# Altium PCB S7CAS-PLEIADES-CARTE-MERE_Pxx.PcbDoc (part 7 of 8)
Units mil, origin at the board's own origin, x right, y up, seen from the top; angles counter-clockwise.
Board outline 8000 x 4000 mil, 14 copper layers (L1, L2 (GND), L3, L4 (GND), L5, L6 (GND), L7 (PWR), L8 (GND), L9 (PWR), L10 (GND), L11 (GND), L12, L13 (GND), L14), stack 81.971 mil thick; 686 components, 434 nets, 2811 pads, 1136 vias.
Unrouted connection lines stored in the file: 1167.
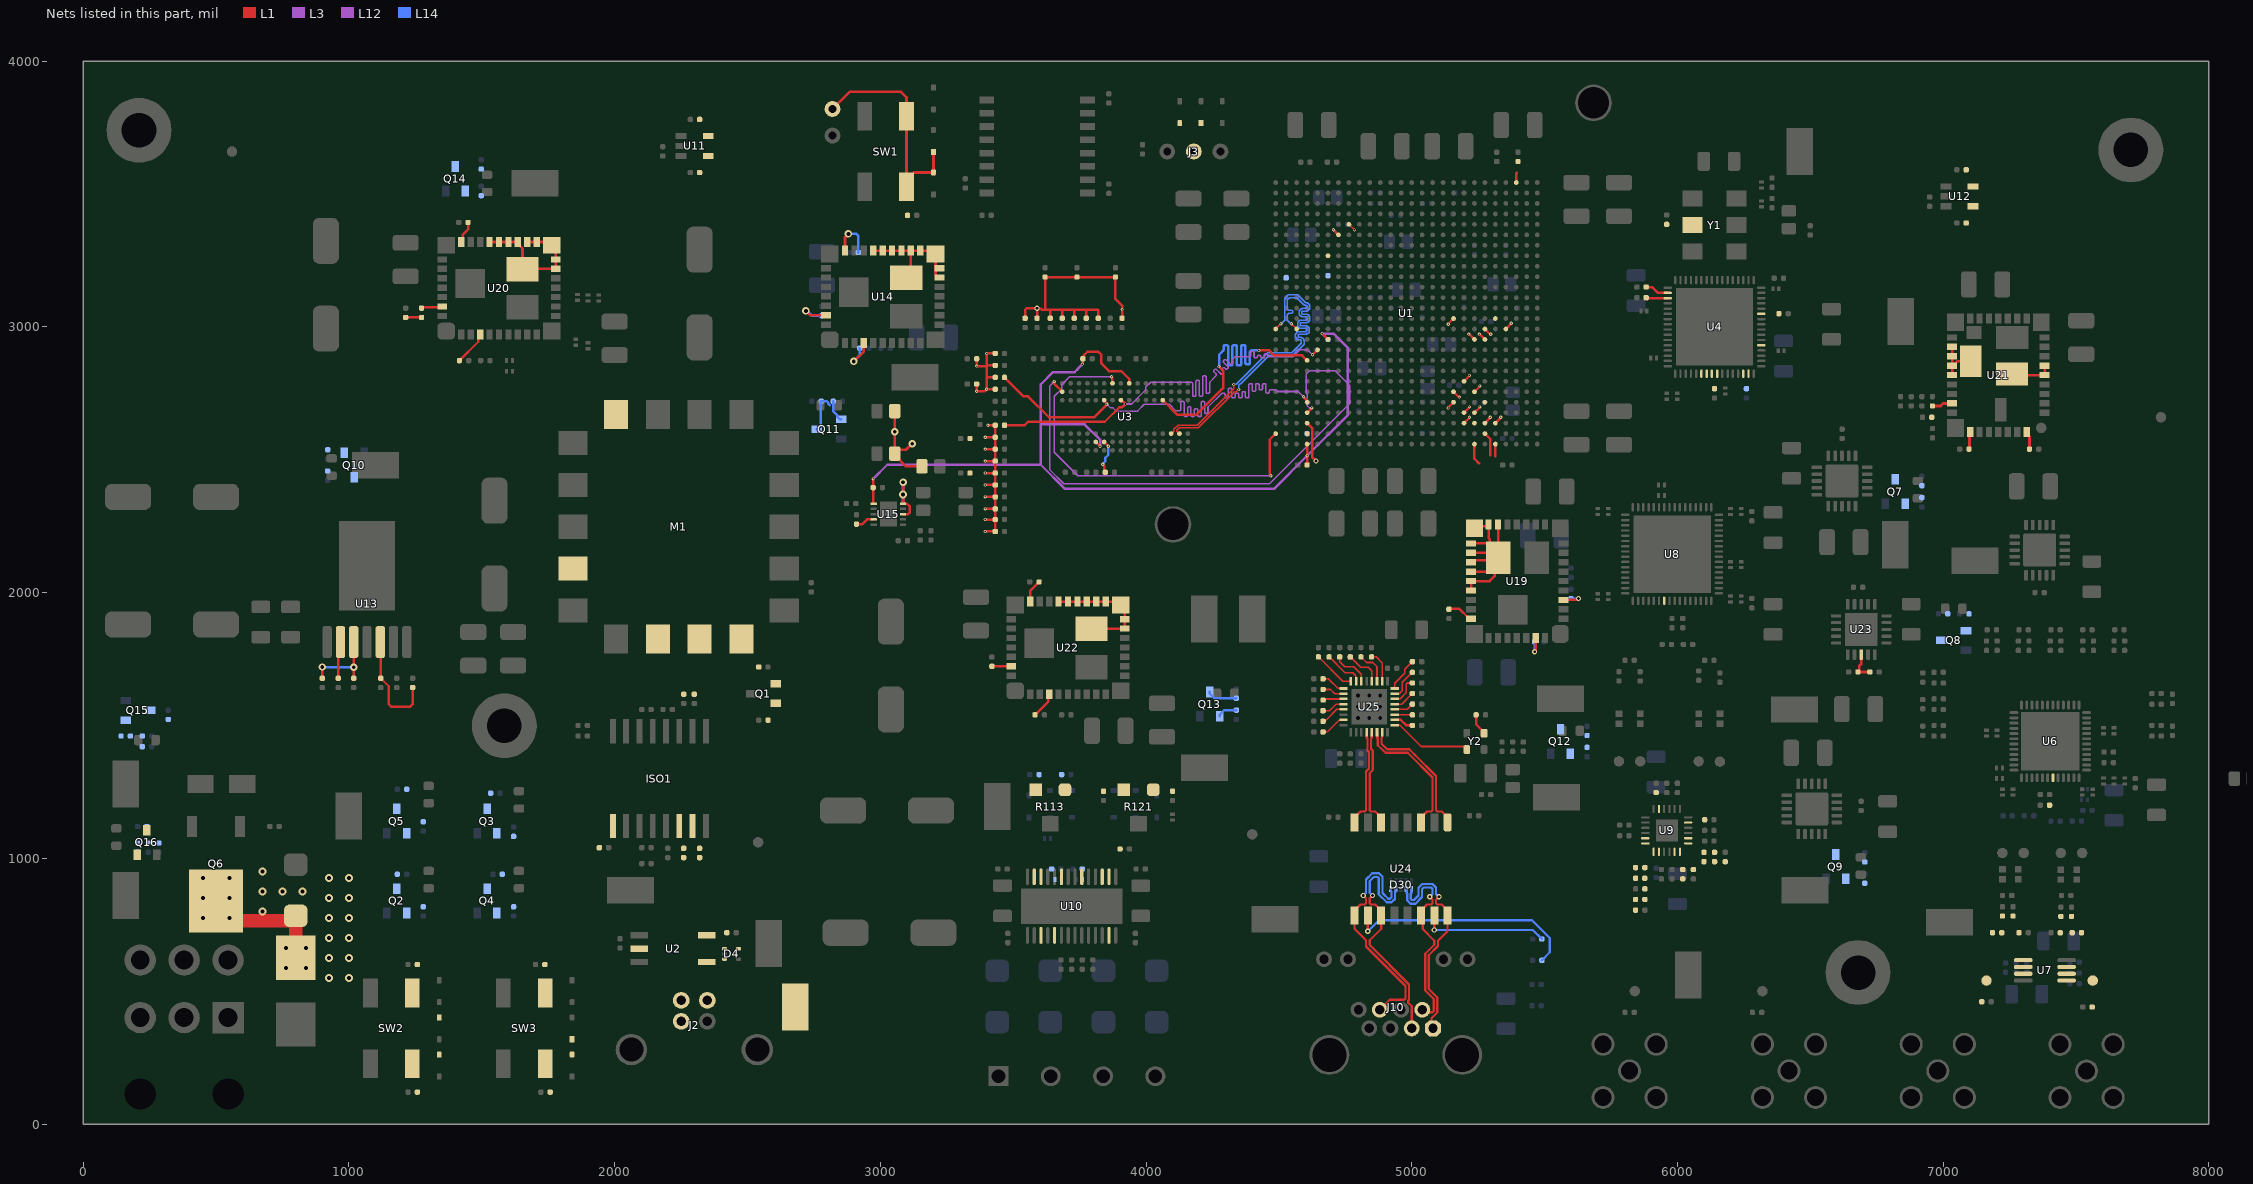
[diagram p18: the nets of this part, all layers, seen from the top]

## Via types
v1: diameter 12, hole 6, L1 to L14, tented both sides, 492 vias
v2: diameter 30, hole 15, L1 to L14, tented both sides, 226 vias
v3: diameter 20, hole 10, L1 to L14, tented both sides, 208 vias
v4: diameter 19.68, hole 7.87, L1 to L14, tented both sides, 106 vias
v5: diameter 19.68, hole 11.81, L1 to L14, tented both sides, 48 vias
v6: diameter 22, hole 12, L1 to L14, tented both sides, 27 vias
v7: diameter 19.68, hole 11.81, L1 to L14, 15 vias
v8: diameter 28, hole 14, L1 to L14, tented both sides, 10 vias
v9: diameter 19.68, hole 7.87, L1 to L14, 4 vias

## Nets (pads, with @x,y where several pads share a name; then routed paths per layer and width w, separated by ;. In a path a pad name is that pad's centre, name@x,y a point inside that pad or via, vN(x,y) a via of type N, cw(c..) or ccw(c..) an arc to the next point about the centre after c; other vN are vias at no path point) (continued)
NetM1_13: M1.13 U1.C23 | length 156.8
  L1 w9.39: U1.C23@4606.29,2637.79 4625,2619.08 4625,2510 v3(4640,2495)
NetM1_18: M1.18 Q1.2 R24.2
NetQ2_1: Q2.1 R131.1
NetQ2_3: Q2.3 R129.1
NetQ3_1: Q3.1 R132.1
NetQ3_3: Q3.3 R130.1
NetQ4_1: Q4.1 R135.1
NetQ4_3: Q4.3 R133.1
NetQ5_1: Q5.1 R136.1
NetQ5_3: Q5.3 R134.1
NetQ7_1: Q7.1 R238.1
NetQ7_3: Q7.3 R230.1
NetQ8_1: Q8.1 R239.1
NetQ8_3: Q8.3 R231.1
NetQ9_1: Q9.1 R240.1
NetQ9_3: Q9.3 R232.1
NetQ10_1: Q10.1 R241.1
NetQ10_3: Q10.3 R233.1
NetQ11_1: Q11.1 R242.1 | length 84.4
  L14 w9.39: R242.1@2822.5,2720 2822.5,2683 2838.19,2667.31 2838.19,2661.31 2847.5,2652 Q11.1@2853.5,2652
NetQ11_3: Q11.3 R234.1 | length 156.4
  L14 w9.39: Q11.3@2761.5,2615 2765.69,2615 2775,2624.31 2776.81,2624.31 2776.81,2719.31 R234.1@2777.5,2720 2799.31,2720 2804.81,2714.5 2804.81,2710.33 2810.11,2705.02
NetQ12_1: Q12.1 R243.1
NetQ12_3: Q12.3 R235.1
NetQ13_1: Q13.1 R244.1 | length 76.2
  L14 w9.39: Q13.1@4277,1534 4277,1540 4294.5,1557.5 R244.1@4340,1557.5
NetQ13_3: Q13.3 R236.1 | length 115.1
  L14 w9.39: Q13.3@4240,1626 4240,1620 4257.5,1602.5 4335.63,1602.5 4337.81,1600.31 R236.1@4340,1602.5
NetQ14_1: Q14.1 R245.1
NetQ14_3: Q14.3 R237.1
NetQ15_1: Q15.1 R250.1
NetQ15_3: Q15.3 R246.1
NetQ16_1: Q16.1 R251.1
NetQ16_3: Q16.3 R248.1
NetR21_2: R21.2 U2.3
NetR25_1: R25.1 U1.AB19 | length 29.4
  L1 w6.36: U1.AB19@4763.77,3385.82 v1(4784.59,3365)
NetR26_1: R26.1 U1.W21
NetR51_1: R51.1 Y1.2
NetR52_1: R52.1 U4.3 | length 81.7
  L1 w9.39: R52.1@5882.5,3110 5884.07,3108.43 5963.34,3108.43 U4.3@5963.5,3108.27
NetR53_1: R53.1 U4.2 | length 90.1
  L1 w9.39: R53.1@5882.5,3150 5905,3150 5927.05,3127.95 U4.2@5963.5,3127.95
NetR54_1: R54.1 U4.43
NetR56_2: R56.2 U4.30
NetR57_1: R57.1 R59.2 TP3.1 U7.1
NetR71_1: R71.1 R78.2 TP6.1 U7.7
NetR91_2: R91.2 U6.43
NetR94_1: R94.1 U9.23
NetR94_2: R94.2 R95.1 U9.24
NetR98_1: R98.1 R100.2 U9.1
NetR98_2: R98.2 R101.1
NetR100_1: R100.1 U9.2
NetR102_1: R102.1 U9.5
NetR102_2: R102.2 R103.1 U9.6
NetR106_1: R106.1 R108.2 U9.7
NetR106_2: R106.2 R109.1
NetR108_1: R108.1 U9.8
NetR112_2: R112.2 R113.1
NetR113_3: R113.3 R114.1
NetR118_2: R118.2 R121.1
NetR121_3: R121.3 R122.1
NetR137_1: R137.1 R139.2 U13.3 | length 297.5
  L1 w9.44: R137.1@900,1677.5 v8(900,1720) ; R139.2@1018.03,1677.5 v8(1018.03,1718.63) U13.3@1018.03,1813.9
  L14 w9.44: v8(900,1720) 900.69,1719.31 1017.35,1719.31 v8(1018.03,1718.63)
NetR138_2: R138.2 R141.2 U13.5 | length 407.9
  L1 w9.44: U13.5@1118.03,1813.9 1119.02,1812.92 1119.02,1678.48 R141.2@1120,1677.5 1150,1647.5 1150,1580 1160,1570 1230,1570 1240,1580 R138.2@1240,1642.5
NetR140_2: R140.2 U13.2 | length 139.7
  L1 w9.44: R140.2@960,1677.5 960,1805.87 U13.2@968.03,1813.9
NetR143_2: R143.2 U15.9 | length 72.3
  L1 w9.44: R143.2@2910.48,2257.7 2932.7,2257.7 2950.51,2275.51 U15.9@2975.36,2275.51
NetR144_2: R144.2 U14.28 | length 171.3
  L1 w10: U14.28@2867.09,3287.13 2867.09,3337.09 v8(2880,3350)
  L14 w10: v8(2880,3350) 2910,3350 2917.5,3342.5 R144.2@2917.5,3280
NetR145_2: R145.2 U14.4 | length 143.7
  L1 w10: v8(2900,2870) 2937.95,2907.95 U14.4@2937.95,2938.7
  L14 w10: v8(2900,2870) 2922.5,2892.5 R145.2@2922.5,2920
NetR147_2: R147.2 U14.35 | length 149.1
  L1 w9.39: v8(2720,3060) 2735.98,3044.02 U14.35@2795.24,3044.02
  L14 w9.39: v8(2720,3060) 2724.71,3060 2742.21,3042.5 R147.2@2780,3042.5
NetR149_2: R149.2 U19.28 | length 100.5
  L1 w9.39: R149.2@5140,1937.5 5142.5,1940 5178.15,1940 5216.61,1901.54 U19.28@5223.5,1901.54
NetR150_2: R150.2 U19.4 | length 85.2
  L1 w9.39: U19.4@5571.93,1972.4 5619.53,1972.4 5624.63,1977.5 v3(5627.5,1977.5)
  L14 w9.39: R150.2@5600,1977.5 v3(5627.5,1977.5)
NetR151_2: R151.2 U20.4 | length 130.6
  L1 w9.44: R151.2@1415.98,2873.17 1486.94,2944.13 1486.94,2964.3 U20.4@1494.03,2971.39
NetR152_2: R152.2 U20.28 | length 83.8
  L1 w9.44: U20.28@1423.16,3319.82 1428.24,3324.9 1428.24,3346.4 1448.48,3366.63 R152.2@1448.48,3393.17
NetR153_1: R153.1 R155.2 | length 60
  L1 w9.44: R155.2@1213.48,3035.67 R153.1@1273.48,3035.67
NetR153_2: R153.2 U20.35 | length 80.3
  L1 w9.44: R153.2@1273.48,3070.67 1276.5,3073.69 1348.29,3073.69 U20.35@1351.31,3076.71
NetR154_2: R154.2 U19.35 | length 91.4
  L1 w9.39: v3(5462.5,1777.5) 5462.5,1780.37 5466.61,1784.49 U19.35@5466.61,1829.69
  L14 w9.39: v3(5462.5,1777.5) R154.2@5462.5,1815
NetR156_1: R156.1 R160.2 U21.27 | length 77.9
  L1 w10: R156.1@6960,2702.5 6991,2702.5 7000.12,2711.62 7033.08,2711.62 U21.27@7033.82,2712.36
NetR157_2: R157.2 U21.36 | length 69.5
  L1 w10: U21.36@7314.33,2605.08 7314.33,2598.19 7325,2587.52 R157.2@7325,2540
NetR158_1: R158.1 R161.2 U23.3 | length 115.7
  L1 w10: U23.3@6691.94,1766.79 6691.94,1732.1 6683.83,1723.99 6683.83,1705.66 R158.1@6679.44,1701.28 R161.2@6724.44,1701.28
NetR159_2: R159.2 U21.30 | length 66.8
  L1 w10: R159.2@7097.5,2540 7099.62,2542.12 7099.62,2602.96 U21.30@7101.73,2605.08
NetR162_2: R162.2 U22.28 | length 87.6
  L1 w9.39: U22.28@3564.69,1965.94 3564.69,2007.19 R162.2@3597.5,2040
NetR163_2: R163.2 U22.4 | length 99.5
  L1 w9.39: R163.2@3582.5,1540 3632.74,1590.24 3632.74,1614.71 U22.4@3635.55,1617.52
NetR164_2: R164.2 U22.35 | length 73
  L1 w9.39: R164.2@3420,1722.5 3420.17,1722.67 3492.67,1722.67 U22.35@3492.83,1722.83
NetR203_2: R203.2 U24.15 | length 475.9
  L1 w8.62: v3(5085,730) U24.15@5085,785
  L14 w8.62: v3@5086.25,731.25 v3(5085,730) 5456,730 R203.2@5490,696
NetR204_2: R204.2 U24.10 | length 886.5
  L1 w8.62: v3(4835,725) U24.10@4835,785
  L14 w8.62: v3(4835,725) 4876.95,766.95 5453.05,766.95 5520,700 5520,646 R204.2@5490,616
NetR206_1: R206.1 R208.2 U25.11 | length 66.4
  L1 w6.36: U25.11@4936.46,1540.79 4936.85,1540.39 5002.11,1540.39 R208.2@5002.5,1540
NetR209_2: R209.2 U25.12 | length 74.1
  L1 w6.36: U25.12@4936.46,1560.47 4982.97,1560.47 R209.2@5002.5,1580
NetR210_2: R210.2 U25.28 | length 87.2
  L1 w6.36: R210.2@4666.55,1555.51 4690.51,1555.51 4715.16,1580.16 U25.28@4743.54,1580.16
NetR211_2: R211.2 U25.29 | length 95.6
  L1 w6.36: R211.2@4666.55,1515.51 4671.68,1520.58 4678.58,1520.58 4718.47,1560.47 U25.29@4743.54,1560.47
NetR212_2: R212.2 U25.18 | length 117.8
  L1 w6.36: R212.2@4849.05,1758.01 4865.99,1758.01 4889.21,1734.79 U25.18@4889.21,1666.77
NetR213_2: R213.2 U25.20 | length 141.7
  L1 w6.36: R213.2@4769.05,1758.01 4807.61,1719.45 4836.55,1719.45 4849.84,1706.16 U25.20@4849.84,1666.77
NetR214_2: R214.2 U25.16 | length 128.1
  L1 w6.36: U25.16@4936.46,1639.21 4936.46,1659.46 4974,1697 4974,1711.5 R214.2@5002.5,1740
NetR215_2: R215.2 U25.15 | length 117.7
  L1 w6.36: U25.15@4936.46,1619.53 4936.68,1619.76 4953.47,1619.76 4965,1631.28 4965,1662.5 R215.2@5002.5,1700
NetR216_2: R216.2 U25.14 | length 109.9
  L1 w6.36: U25.14@4936.46,1599.84 4937.48,1600.87 4956.87,1600.87 4980,1624 4980,1656.27 4983.73,1660 R216.2@5002.5,1660
NetR217_2: R217.2 U25.13 | length 82.5
  L1 w6.36: U25.13@4936.46,1580.16 4962.66,1580.16 R217.2@5002.5,1620
NetR220_2: R220.2 U25.19 | length 130.3
  L1 w6.36: R220.2@4809.05,1758.01 4829.93,1737.12 4853.88,1737.12 4869.53,1721.47 U25.19@4869.53,1666.77
NetR221_2: R221.2 U25.23 | length 150.2
  L1 w6.36: R221.2@4689.05,1758.01 4749.05,1698 4777.85,1698 4789.21,1686.64 4789.21,1668.35 U25.23@4790.79,1666.77
NetR222_2: R222.2 U25.31 | length 95.9
  L1 w6.36: R222.2@4666.55,1475.51 4666.88,1475.84 4682.84,1475.84 4726.36,1519.36 4741.8,1519.36 U25.31@4743.54,1521.1
NetR223_2: R223.2 U25.24 | length 159.8
  L1 w6.36: R223.2@4649.05,1758.01 4740.28,1666.77 U25.24@4771.1,1666.77
NetR224_2: R224.2 U25.25 | length 92
  L1 w6.36: R224.2@4666.55,1675.51 4686.49,1675.51 4722.56,1639.44 4743.32,1639.44 U25.25@4743.54,1639.21
NetR225_2: R225.2 U25.26 | length 83.6
  L1 w6.36: R225.2@4666.55,1635.51 4694.49,1635.51 4710.47,1619.53 U25.26@4743.54,1619.53
NetR226_2: R226.2 U25.27 | length 78.8
  L1 w6.36: R226.2@4666.55,1595.51 4670.88,1599.84 U25.27@4743.54,1599.84
NetR227_2: R227.2 U25.22 | length 144.9
  L1 w6.36: R227.2@4729.05,1758.01 4729.05,1739.95 4748,1721 4782,1721 4810.24,1692.76 4810.24,1667 U25.22@4810.47,1666.77
NetR228_2: R228.2 U25.10 | length 74.8
  L1 w9.39: U25.10@4936.46,1521.1 4958.9,1521.1 4980,1500 R228.2@5002.5,1500
NetR229_1: R229.1 Y2.1 | length 81.9
  L1 w9.39: R229.1@5242.5,1540 5242.5,1504.43 5272.48,1474.45 Y2.1@5272.48,1470.51
NetR247_1: R247.1 R250.2 R252.2
NetR249_1: R249.1 R251.2 R253.2
NetU14_17: U14.17 U14.18 U14.19 U14.20 U14.21 U14.22 U14.23 U14.24 U14.25 U14.39 | length 447.8
  L1 w10: U14.25@2973.39,3287.13 U14.24@3008.82,3287.13 U14.23@3044.25,3287.13 U14.22@3079.69,3287.13 U14.21@3115.12,3287.13 ; U14.39@3097.4,3184.96 3115.12,3202.68 U14.21@3115.12,3287.13 ; U14.17@3222.4,3185.75 3215.51,3185.75 3208.7,3192.56 3208.7,3199.45 3207.64,3200.52 U14.19@3207.64,3274.33 3194.84,3287.13 U14.20@3150.55,3287.13 U14.21@3115.12,3287.13
NetU19_17: U19.17 U19.18 U19.19 U19.20 U19.21 U19.22 U19.23 U19.24 U19.25 U19.39 | length 959.9
  L1 w9.39: U19.25@5223.5,2007.83 U19.24@5223.5,2043.27 5233.74,2043.27 5293.27,2043.27 5312.24,2062.24 5312.24,2103.66 U19.39@5325.67,2117.09 ; U19.23@5223.5,2078.7 U19.39@5284.1,2078.7 ; U19.22@5223.5,2114.13 5230.62,2121.25 5315.07,2121.25 U19.39@5325.67,2131.85 ; U19.21@5223.5,2149.57 5307.95,2149.57 U19.39@5325.67,2131.85 ; U19.20@5223.5,2185 5284.1,2185 U19.39@5325.67,2143.43 ; U19.19@5236.3,2242.09 5243.95,2249.73 5282.33,2249.73 U19.18@5289.45,2256.85 5289.45,2205.55 5293.54,2201.46 5293.54,2188.18 5312.39,2169.33 U19.39@5325.67,2169.33 ; U19.39@5284.1,2075.52 U19.39@5325.67,2117.09 ; U19.17@5324.88,2256.85 5324.88,2214.53 5325.67,2213.74 U19.39@5325.67,2169.33 ; U19.39@5325.67,2117.09 U19.39@5325.67,2131.85 ; U19.39@5325.67,2131.85 U19.39@5325.67,2143.43 ; U19.39@5325.67,2143.43 U19.39@5325.67,2169.33
NetU20_17: U20.17 U20.18 U20.19 U20.20 U20.21 U20.22 U20.23 U20.24 U20.25 U20.39 | length 533.6
  L1 w10: U20.25@1529.46,3319.82 U20.24@1564.9,3319.82 U20.23@1600.33,3319.82 U20.22@1635.76,3319.82 1635.76,3312.93 1653.48,3295.21 U20.39@1653.48,3217.65 1654.27,3218.44 U20.17@1778.48,3218.44 U20.18@1778.48,3253.87 1778.48,3292.26 U20.19@1763.71,3307.02 1750.92,3319.82 U20.20@1706.63,3319.82 U20.21@1671.19,3319.82
NetU21_6: U21.6 U21.7 U21.21 U21.22 U21.23 U21.24 U21.38 U21.41 | length 345.6
  L1 w10: U21.24@7033.82,2818.66 U21.23@7033.82,2854.09 ; U21.21@7033.82,2924.96 U21.22@7033.82,2889.53 U21.23@7033.82,2854.09 ; U21.41@7103.7,2870.63 7053.38,2870.63 7047.52,2864.77 7047.52,2860.91 7040.71,2854.09 U21.23@7033.82,2854.09 ; U21.38@7259.21,2822.99 7263.54,2818.66 U21.6@7382.24,2818.66 U21.7@7382.24,2854.09
NetU22_17: U22.17 U22.18 U22.19 U22.20 U22.21 U22.22 U22.23 U22.24 U22.25 U22.39 | length 459.6
  L1 w9.39: U22.25@3670.98,1965.94 U22.24@3706.42,1965.94 U22.23@3741.85,1965.94 U22.22@3777.28,1965.94 U22.21@3812.72,1965.94 U22.20@3848.15,1965.94 3892.44,1965.94 U22.19@3905.24,1953.15 3920,1938.39 U22.18@3920,1900 U22.17@3920,1864.57 3795.79,1864.57 U22.39@3795,1863.78
NetU25_9: U25.9 Y2.3 | length 310.4
  L1 w6.36: U25.9@4936.46,1501.42 4936.68,1501.19 4955.81,1501.19 5035.95,1421.05 5198.15,1421.05 5207.52,1411.68 Y2.3@5207.52,1409.49
nRAS: R45.2 U1.K22 U3.J3 | length 1863.6
  L1 w9.39: R45.2@3467.5,2630 3543,2630 3555.98,2642.98 3844.83,2642.98 3899.25,2697.4 3909.84,2697.4 v1@3922.3,2709.86 ; U3.J3@3905.5,2724.4 3907.76,2724.4 v1@3922.3,2709.86 ; v1(3923.01,2709.86) v1@3922.3,2709.86 ; v1(4626.65,2895.3) 4627.12,2895.3 4645.19,2913.38 U1.K22@4645.66,2913.38
  L12 w5.82: v1(3923.01,2709.86) 3945.95,2709.86 3998.48,2762.39 3998.48,2773.02 4017.46,2792 4153.64,2792 4169.38,2792 cw(c4169.38,2786.18) 4175.2,2786.18 4175.2,2743.64 ccw(c4179.69,2743.64) 4179.69,2739.15 4183.53,2739.15 ccw(c4183.53,2743.64) 4188.02,2743.64 4188.02,2794.4 cw(c4192.51,2794.4) 4192.51,2798.89 4196.36,2798.89 cw(c4196.36,2794.4) 4200.84,2794.4 4200.84,2743.64 ccw(c4205.33,2743.64) 4205.33,2739.15 4209.18,2739.15 ccw(c4209.18,2743.64) 4213.67,2743.64 4213.67,2811.6 cw(c4218.15,2811.6) 4218.15,2816.09 4222,2816.09 cw(c4222,2811.6) 4226.49,2811.6 4226.49,2754.56 ccw(c4230.98,2754.56) 4230.98,2750.08 4234.82,2750.08 ccw(c4234.82,2754.56) 4239.31,2754.56 4239.31,2788.9 cw(c4245.13,2788.9) 4241.02,2793.02 4259,2811 4261,2813 4263.06,2815.06 ccw(c4258.94,2819.18) 4263.06,2823.29 4255.81,2830.54 cw(c4258.98,2833.72) 4255.81,2836.89 4258.53,2839.61 cw(c4261.7,2836.44) 4264.88,2839.61 4281,2823.49 ccw(c4284.17,2826.66) 4287.34,2823.49 4290.06,2826.21 ccw(c4286.89,2829.38) 4290.06,2832.56 4286.6,2836.02 cw(c4289.77,2839.19) 4286.6,2842.37 4289.32,2845.09 cw(c4292.49,2841.91) 4295.67,2845.09 4298.82,2841.93 ccw(c4301.99,2845.11) 4305.17,2841.93 4307.89,2844.65 ccw(c4304.71,2847.83) 4307.89,2851 4292.08,2866.81 cw(c4295.25,2869.98) 4292.08,2873.16 4294.8,2875.88 cw(c4297.97,2872.7) 4301.14,2875.88 4316.95,2860.07 ccw(c4320.13,2863.24) 4323.3,2860.07 4326.02,2862.79 ccw(c4322.85,2865.96) 4326.02,2869.13 4325.69,2869.46 cw(c4329.81,2873.58) 4325.69,2877.69 4332.5,2884.5 4336.09,2888.09 4385,2888.09 4387.91,2888.09 ccw(c4387.91,2893.91) 4393.73,2893.91 4393.73,2904.08 cw(c4398.22,2904.08) 4398.22,2908.57 4402.07,2908.57 cw(c4402.07,2904.08) 4406.56,2904.08 4406.56,2888.09 ccw(c4411.04,2888.09) 4411.04,2883.6 4414.89,2883.6 ccw(c4414.89,2888.09) 4419.38,2888.09 cw(c4423.87,2888.09) 4423.87,2892.58 4427.71,2892.58 cw(c4427.71,2888.09) 4432.2,2888.09 ccw(c4436.69,2888.09) 4436.69,2883.6 4440.54,2883.6 ccw(c4440.54,2888.09) 4445.02,2888.09 4445.02,2893.91 cw(c4449.51,2893.91) 4449.51,2898.4 4453.36,2898.4 cw(c4453.36,2893.91) 4457.85,2893.91 ccw(c4463.67,2893.91) 4463.67,2888.09 4532.56,2888.09 4553.09,2888.09 4578.38,2913.38 4608.57,2913.38 v1(4626.65,2895.3)
nRESET: U1.D23 U3.T2 | length 2092.9
  L1 w9.39: v1(3655,2795) 3655.5,2794.5 3655.5,2785.43 U3.T2@3685.03,2755.9 ; U1.D23@4606.29,2678.52 4607.47,2678.52 4624,2695.05 v1(4624,2695.23)
  L3 w5.82: v1(3655,2795) 3638.43,2778.43 3638.43,2461.57 3690,2410 4465,2410 4767.59,2712.59 4767.59,2778.55 4711.14,2835 4615,2835 4603.85,2823.85 4603.85,2752.84 4607.24,2749.45 4607.24,2702.76 4615.29,2694.71 4623.49,2694.71 v1(4624,2695.23)
nWE: R47.2 U1.E23 U3.L3 | length 1954.1
  L1 w9.39: R47.2@3467.5,2810 3538.75,2738.75 3556.25,2738.75 3635.73,2659.27 3803.65,2659.27 v1(3853.04,2708.66) 3852.54,2709.16 3852.54,2712.12 3842.51,2722.15 U3.L3@3842.51,2724.4 ; v1(4593,2737) 4604.7,2725.3 4604.7,2718.12 U1.E23@4606.29,2716.53
  L3 w5.82: v1(3853.04,2708.66) 3866.46,2695.24 3876.2,2695.24 3888.44,2683 3968.24,2683 3993.71,2708.47 4088.04,2708.47 4111.51,2685 4122,2685 4124.91,2685 ccw(c4124.91,2690.82) 4130.73,2690.82 4130.73,2714.87 cw(c4135.22,2714.87) 4135.22,2719.36 4139.07,2719.36 cw(c4139.07,2714.87) 4143.56,2714.87 4143.56,2667.31 ccw(c4148.04,2667.31) 4148.04,2662.82 4151.89,2662.82 ccw(c4151.89,2667.31) 4156.38,2667.31 4156.38,2694.56 cw(c4160.87,2694.56) 4160.87,2699.05 4164.71,2699.05 cw(c4164.71,2694.56) 4169.2,2694.56 4169.2,2667.31 ccw(c4173.69,2667.31) 4173.69,2662.82 4177.54,2662.82 ccw(c4177.54,2667.31) 4182.02,2667.31 4182.02,2687.29 cw(c4186.51,2687.29) 4186.51,2691.78 4190.36,2691.78 cw(c4190.36,2687.29) 4194.85,2687.29 4194.85,2667.31 ccw(c4199.34,2667.31) 4199.34,2662.82 4203.18,2662.82 ccw(c4203.18,2667.31) 4207.67,2667.31 4207.67,2714.87 cw(c4212.16,2714.87) 4212.16,2719.36 4216,2719.36 cw(c4216,2714.87) 4220.49,2714.87 4220.49,2678.57 ccw(c4224.98,2678.57) 4224.98,2674.08 4228.83,2674.08 ccw(c4228.83,2678.57) 4233.32,2678.57 4233.32,2695.9 cw(c4239.14,2695.9) 4235.02,2700.02 4285.69,2750.69 4291.61,2750.69 cw(c4291.61,2744.87) 4297.43,2744.87 4297.43,2737.4 ccw(c4301.92,2737.4) 4301.92,2732.91 4305.76,2732.91 ccw(c4305.76,2737.4) 4310.25,2737.4 4310.25,2765.31 cw(c4314.74,2765.31) 4314.74,2769.8 4318.59,2769.8 cw(c4318.59,2765.31) 4323.07,2765.31 4323.07,2737.4 ccw(c4327.56,2737.4) 4327.56,2732.91 4331.41,2732.91 ccw(c4331.41,2737.4) 4335.9,2737.4 4335.9,2746.2 cw(c4340.38,2746.2) 4340.38,2750.69 4344.23,2750.69 cw(c4344.23,2746.2) 4348.72,2746.2 4348.72,2737.4 ccw(c4353.21,2737.4) 4353.21,2732.91 4357.05,2732.91 ccw(c4357.05,2737.4) 4361.54,2737.4 4361.54,2752.06 cw(c4366.03,2752.06) 4366.03,2756.54 4369.88,2756.54 cw(c4369.88,2752.06) 4374.36,2752.06 4374.36,2737.4 ccw(c4378.85,2737.4) 4378.85,2732.91 4382.7,2732.91 ccw(c4382.7,2737.4) 4387.19,2737.4 4387.19,2781.74 cw(c4391.67,2781.74) 4391.67,2786.23 4395.52,2786.23 cw(c4395.52,2781.74) 4400.01,2781.74 4400.01,2762.47 ccw(c4404.5,2762.47) 4404.5,2757.98 4408.34,2757.98 ccw(c4408.34,2762.47) 4412.83,2762.47 4412.83,2781.74 cw(c4417.32,2781.74) 4417.32,2786.23 4421.17,2786.23 cw(c4421.17,2781.74) 4425.65,2781.74 4425.65,2767.72 ccw(c4430.14,2767.72) 4430.14,2763.24 4433.99,2763.24 ccw(c4433.99,2767.72) 4438.48,2767.72 4438.48,2781.47 cw(c4442.96,2781.47) 4442.96,2785.96 4446.81,2785.96 cw(c4446.81,2781.47) 4451.3,2781.47 4451.3,2755.31 ccw(c4455.79,2755.31) 4455.79,2750.82 4459.63,2750.82 ccw(c4459.63,2755.31) 4464.12,2755.31 4464.12,2757.41 cw(c4469.94,2757.41) 4469.94,2763.24 4488.6,2763.24 4494.92,2756.91 4540,2756.91 4573.09,2756.91 v1(4593,2737)
ODT: U1.B26 U3.K1 | length 1512.9
  L1 w9.39: v1(3870.35,2812.65) 3870.35,2811.95 3872.41,2809.88 3872.41,2788.86 U3.K1@3872.55,2788.72 ; v1(4470,2440) 4470,2440.71 4465,2445.71 4465,2575.24 U1.B26@4488.18,2598.42
  L3 w5.82: v1(3870.35,2812.65) 3870,2813 3713,2813 3682.61,2782.61 3682.61,2766.37 3655,2738.76 3655,2528 3743,2440 v1(4470,2440)
OPAMP1_IN_N: R62.1 R63.2 U7.3
OPAMP1_IN_P: R57.2 R58.1 U7.2
OPAMP2_IN_N: R81.1 R83.2 U7.5
OPAMP2_IN_P: R71.2 R77.1 U7.6
PLL_CLK: U1.D8 U4.24 | length 30.3
  L1 w9.39: U1.D8@5196.84,2677.16 5216.61,2696.93 5216.61,2698.52 v1(5217.11,2699.02)
PLL_LE: R55.1 U1.D7 U4.25 | length 30.3
  L1 w9.39: U1.D7@5236.21,2677.16 5255.98,2696.93 5255.98,2698.52 v1(5256.48,2699.02)
PLL_LOCK_STAT: U1.C6 U4.37 | length 30.3
  L1 w9.39: U1.C6@5275.58,2637.79 5295.35,2657.56 5295.35,2659.15 v1(5295.85,2659.65)
PLL_MISO: U1.F9 U4.22 | length 30.3
  L1 w9.39: U1.F9@5157.47,2755.9 5177.24,2736.13 5178.83,2736.13 v1(5179.33,2735.63)
PLL_MOSI: U1.C8 U4.23 | length 30.3
  L1 w9.39: U1.C8@5196.84,2637.79 5216.61,2657.56 5216.61,2659.15 v1(5217.11,2659.65)
PLL_REF_SEL: U1.E9 U4.31 | length 30.3
  L1 w9.39: v1(5137.2,2694.67) 5137.7,2695.17 5137.7,2696.76 U1.E9@5157.47,2716.53
POWER_MOS_MID: D29.1 F1.2 Q6.4 | length 496.7
  L1 w50: Q6.4@500,839.61 574.61,765 779.49,765 798.03,783.54 D29.1@800,783.54 800,765 F1.2@800,625.39
  other v2: 925,550 1000,550 763.2,587.98 838.2,587.98 925,625 1000,625 763.2,662.98 838.2,662.98 925,700 1000,700 450,775 550,775 925,775 1000,775 675,800 450,850 550,850 925,850 1000,850 675,875 750,875 825,875 450,925 550,925 925,925 1000,925 675,950
RCA: C202.2 R119.2 U10.6
RCB: C203.2 R120.2 U10.9
RESET_PROGRAM_B: C3.2 D1.2 D3.1 J1.1 M1.9 R6.1 SW1.3 SW1.4 U1.AF3 | length 878.5
  L1 w9.39: U1.AF3@5393.69,3543.3 5393.69,3578.69 5395,3580
  L1 w10: J1.1@2820,3820 2884.78,3884.78 3078.22,3884.78 3098.74,3864.26 SW1.4@3098.74,3792.87 SW1.3@3098.74,3553.7 ; SW1.3@3098.74,3527.13 SW1.3@3098.74,3553.7 ; D1.2@3200,3658.66 D3.1@3200,3581.34 3126.38,3581.34 SW1.3@3098.74,3553.7
RFUSE: D5.2 D7.1 J3.2 U1.AA20 | length 54.7
  L1 w9.39: v1(4705.11,3365.63) 4705.22,3365.63 U1.AA20@4724.4,3346.45 U1.AA20@4724.51,3346.45
  L14 w9.39: v1(4705.11,3365.63) 4705.33,3365.63 4724.51,3346.45
RX_ISOL_N: D30.5 J10.6 U24.9 | length 893.3
  L1 w8.55: v3(4817.5,860) 4828.23,849.27 4828.23,830.78 4823.22,825.77 4807.27,825.77 4785,803.5 U24.9@4785,785 4785,735 4828.23,691.77 4828.23,667.96 4976.36,519.83 4976.36,472.28 4971.35,467.27 4917.27,467.27 J10.6@4880,430
  L14 w8.62: v3(4817.5,860) 4817.5,860.05 4828.19,870.74 4828.19,920.21 4851.61,943.62 4876.97,943.62 4890,930.59 4890,869.27 4911.46,847.81 4918.61,847.81 4923.66,852.86 4923.66,873.28 4922.22,874.71 4922.22,883.25 D30.5@4920.63,884.84
RX_ISOL_P: D30.4 J10.3 U24.11 | length 898.7
  L1 w8.55: v3(4852.5,860) 4841.77,849.27 4841.77,830.78 4846.78,825.77 4862.73,825.77 4885,803.5 U24.11@4885,785 4885,735 4841.77,691.77 4841.77,673.57 4989.91,525.44 4989.91,466.67 4986.52,463.28 4986.52,456.2 5000,442.71 J10.3@5000,360
  L14 w8.62: v3(4852.5,860) 4852.5,860.05 4841.81,870.74 4841.81,914.56 4857.25,930 4871.32,930 4876.38,924.95 4876.38,863.62 4905.82,834.18 4924.25,834.18 4937.28,847.21 4937.28,873.28 4938.72,874.71 4938.72,883.25 D30.4@4940.31,884.84
RX_N: U24.8 U25.4 | length 374.6
  L1 w8.55: U24.8@4785,1135 4785,1153.5 4807.27,1175.77 4823.22,1175.77 4828.23,1180.78 4828.23,1230.61 4828.23,1326.66 4839.45,1337.89 4839.45,1399.88 4833.23,1406.11 4833.23,1451.67 4830.8,1454.09 4830.8,1473.21 U25.4@4830.16,1473.86
RX_P: U24.6 U25.5 | length 374.6
  L1 w8.55: U25.5@4849.84,1473.86 4849.2,1473.21 4849.2,1454.09 4846.77,1451.67 4846.77,1411.72 4853,1405.5 4853,1332.28 4841.77,1321.05 4841.77,1299.93 4841.77,1208.79 4841.77,1180.78 4846.78,1175.77 4862.73,1175.77 4885,1153.5 U24.6@4885,1135